# Altium PCB Oven Controller.PcbDoc
Units mm, origin at the board's own origin, x right, y up, seen from the top; angles counter-clockwise.
Board outline 65 x 60.05 mm, 4 copper layers (Top Layer, GND, Power, Bottom Layer), stack 1.371 mm thick; 56 components, 41 nets, 202 pads, 118 vias.
Unrouted connection lines stored in the file: 1.
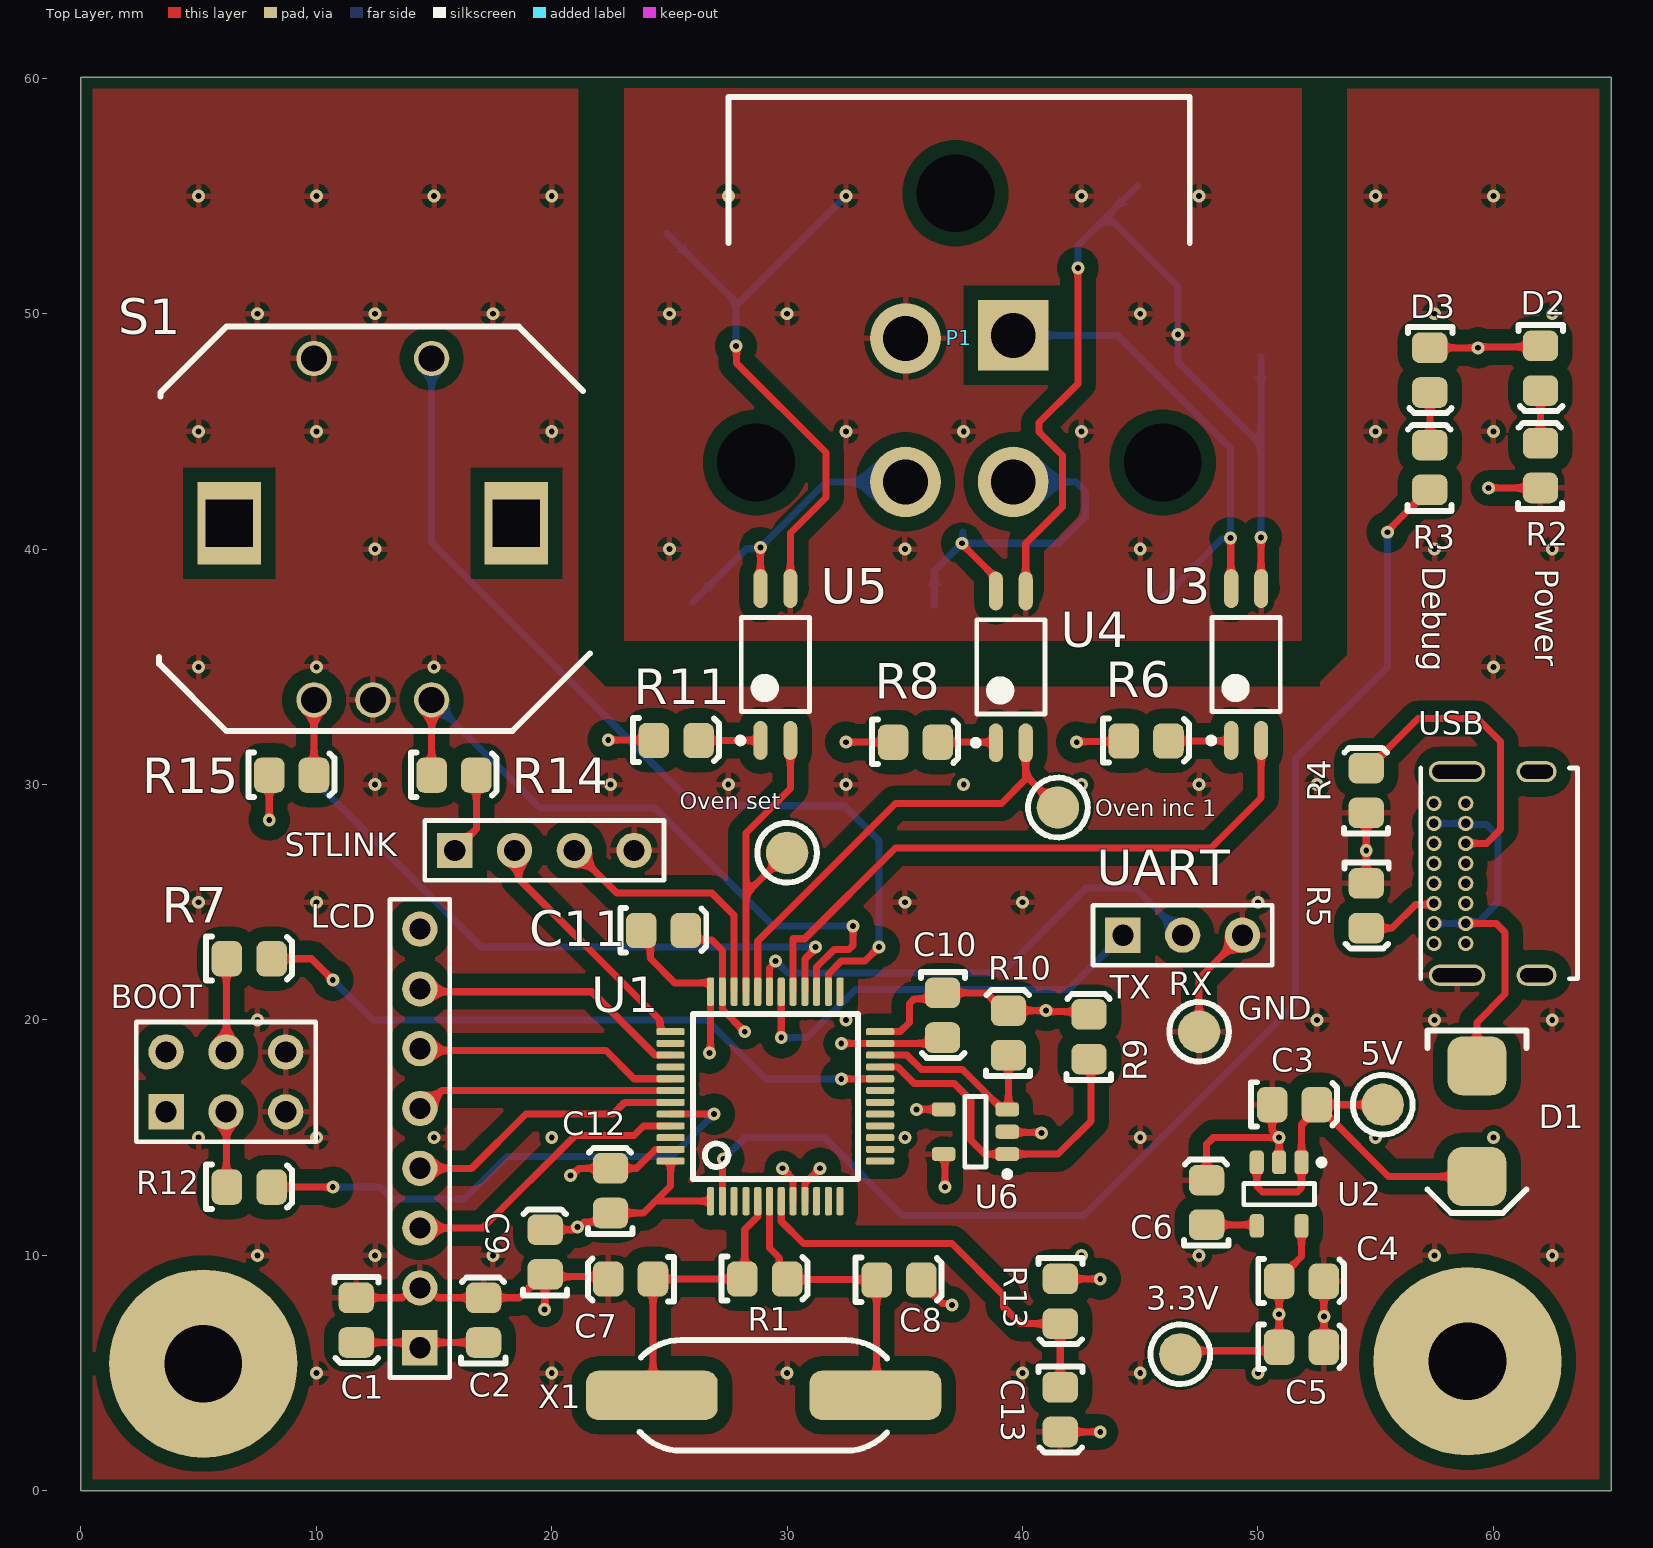
[diagram p0: Top Layer view]
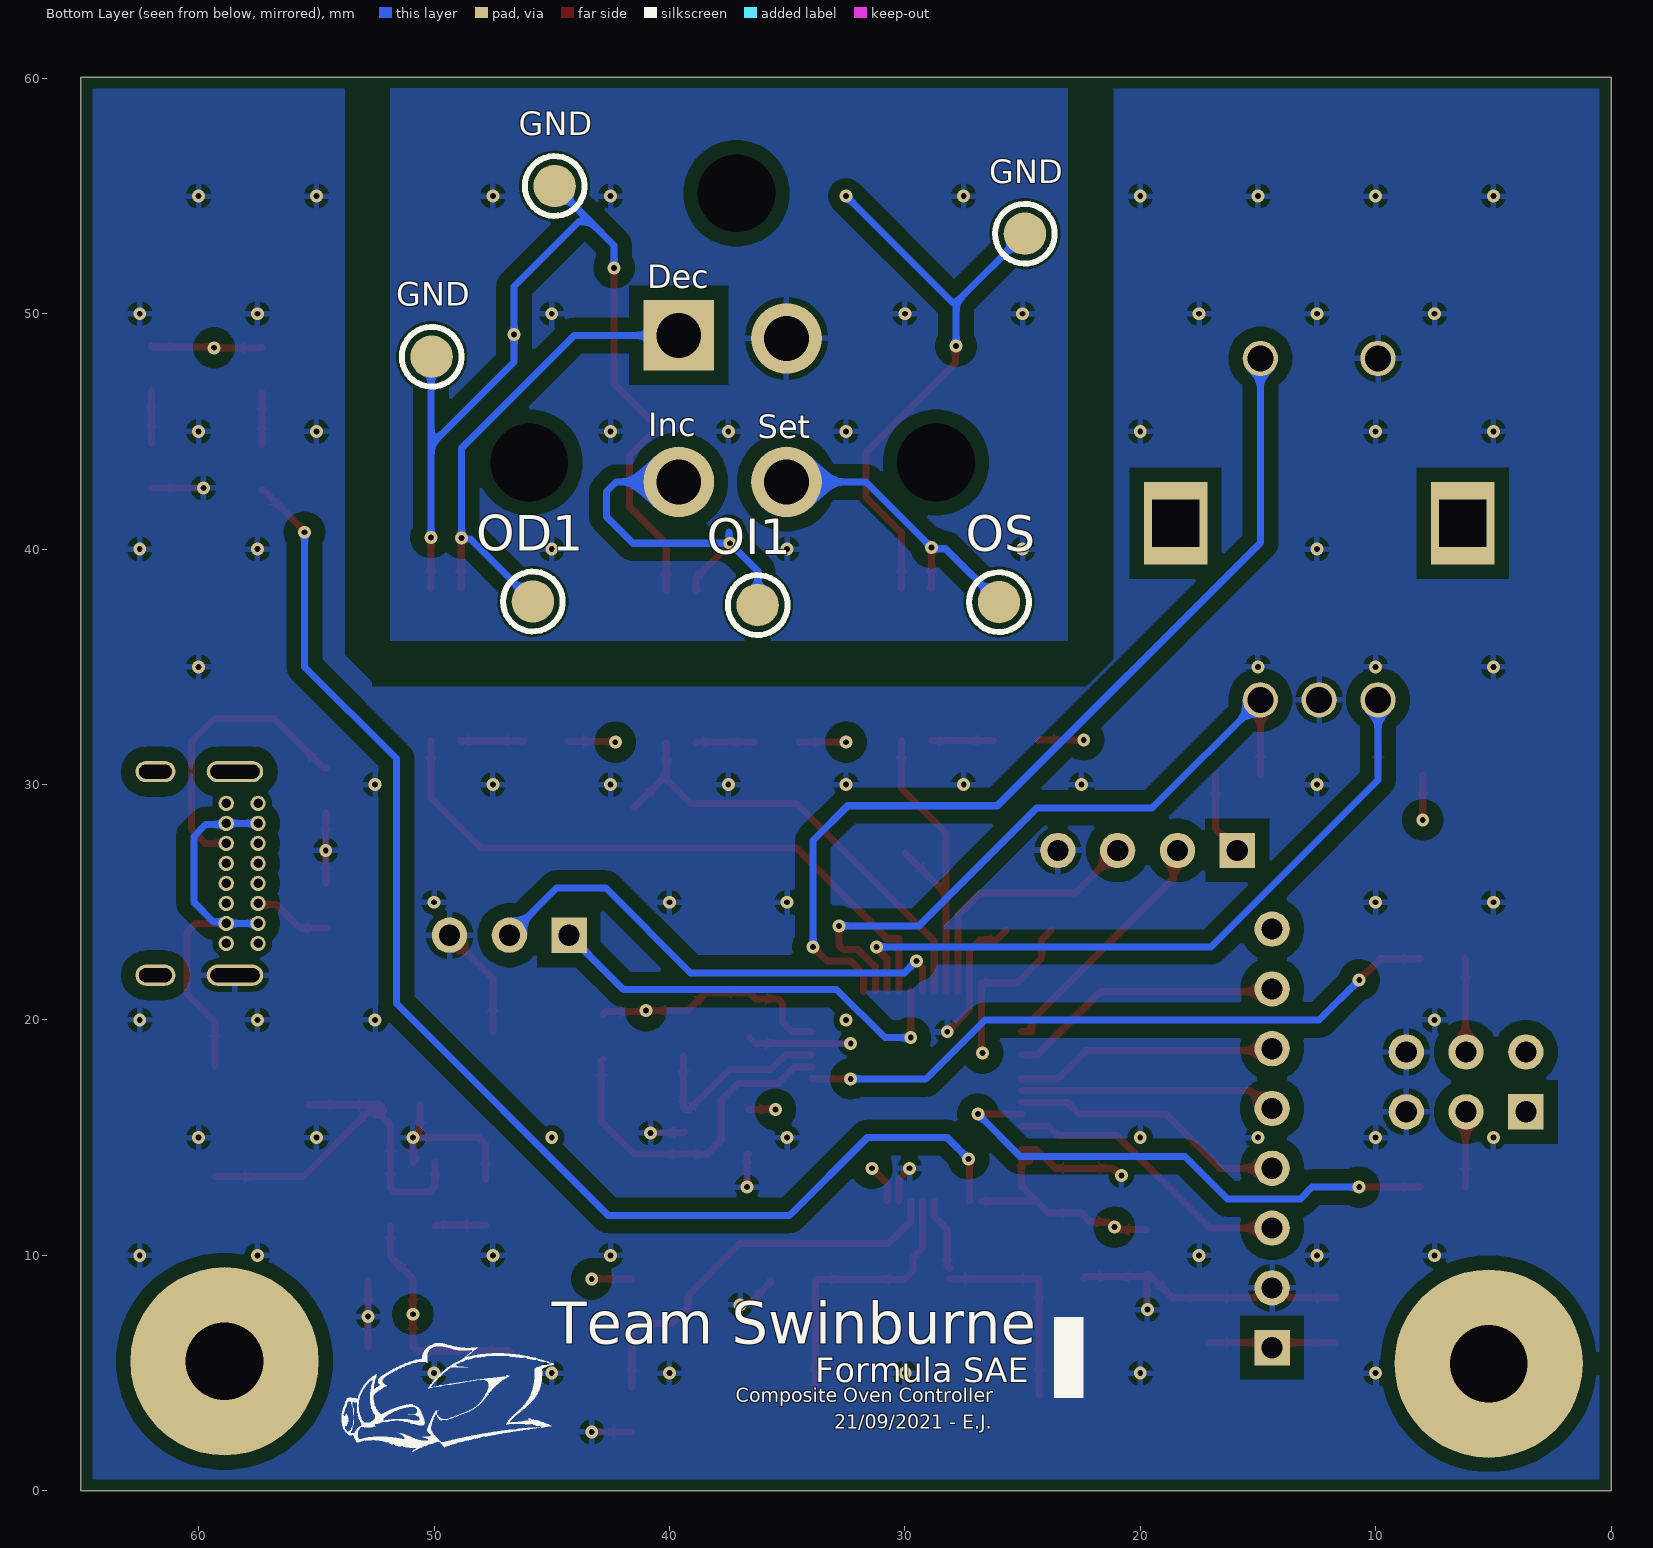
[diagram p1: Bottom Layer view, seen from below]
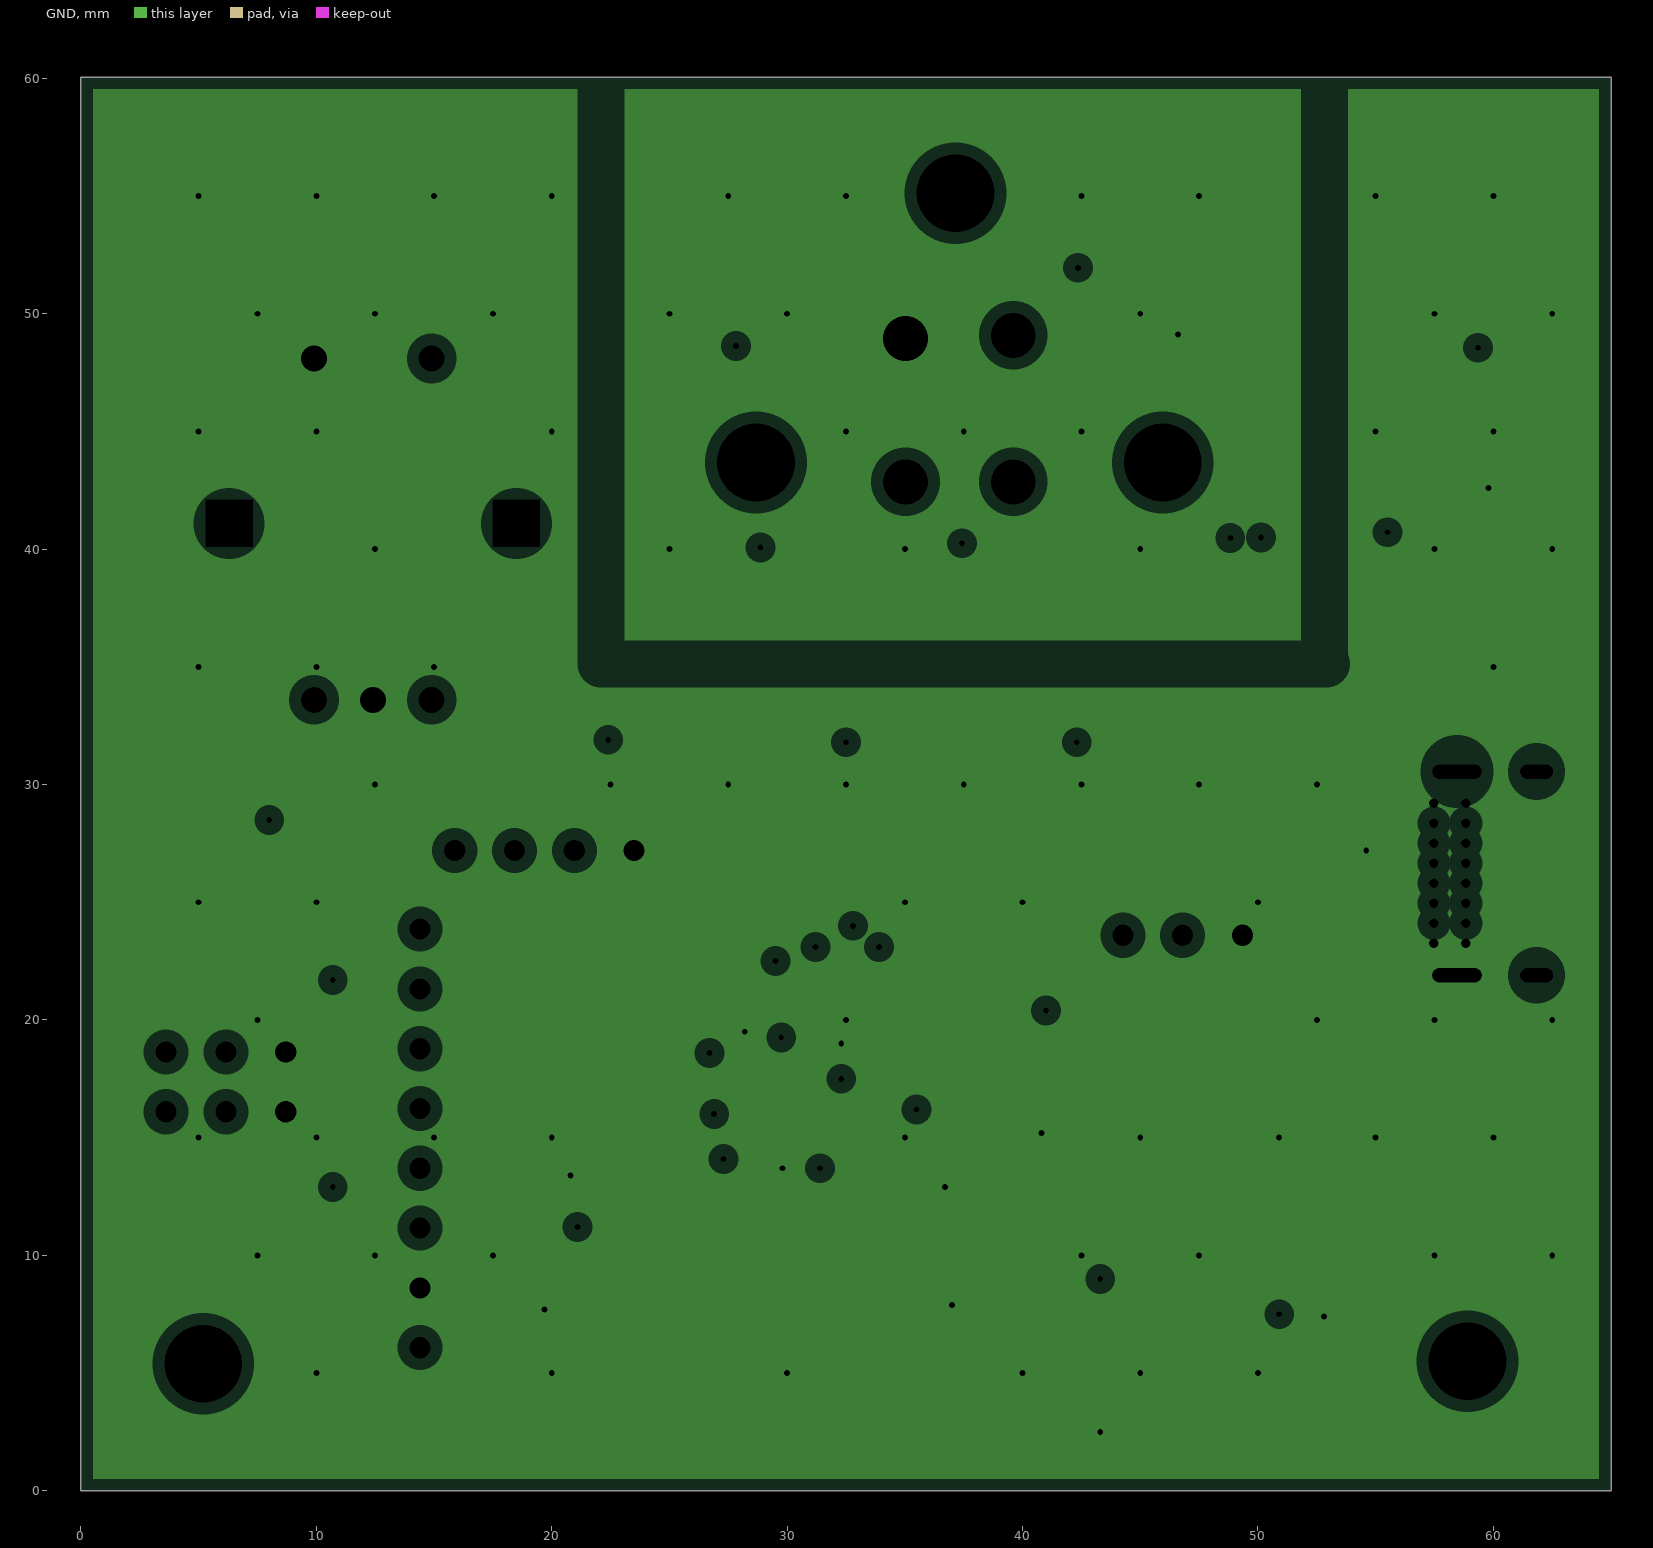
[diagram p2: GND, clearances drawn from the general rule]
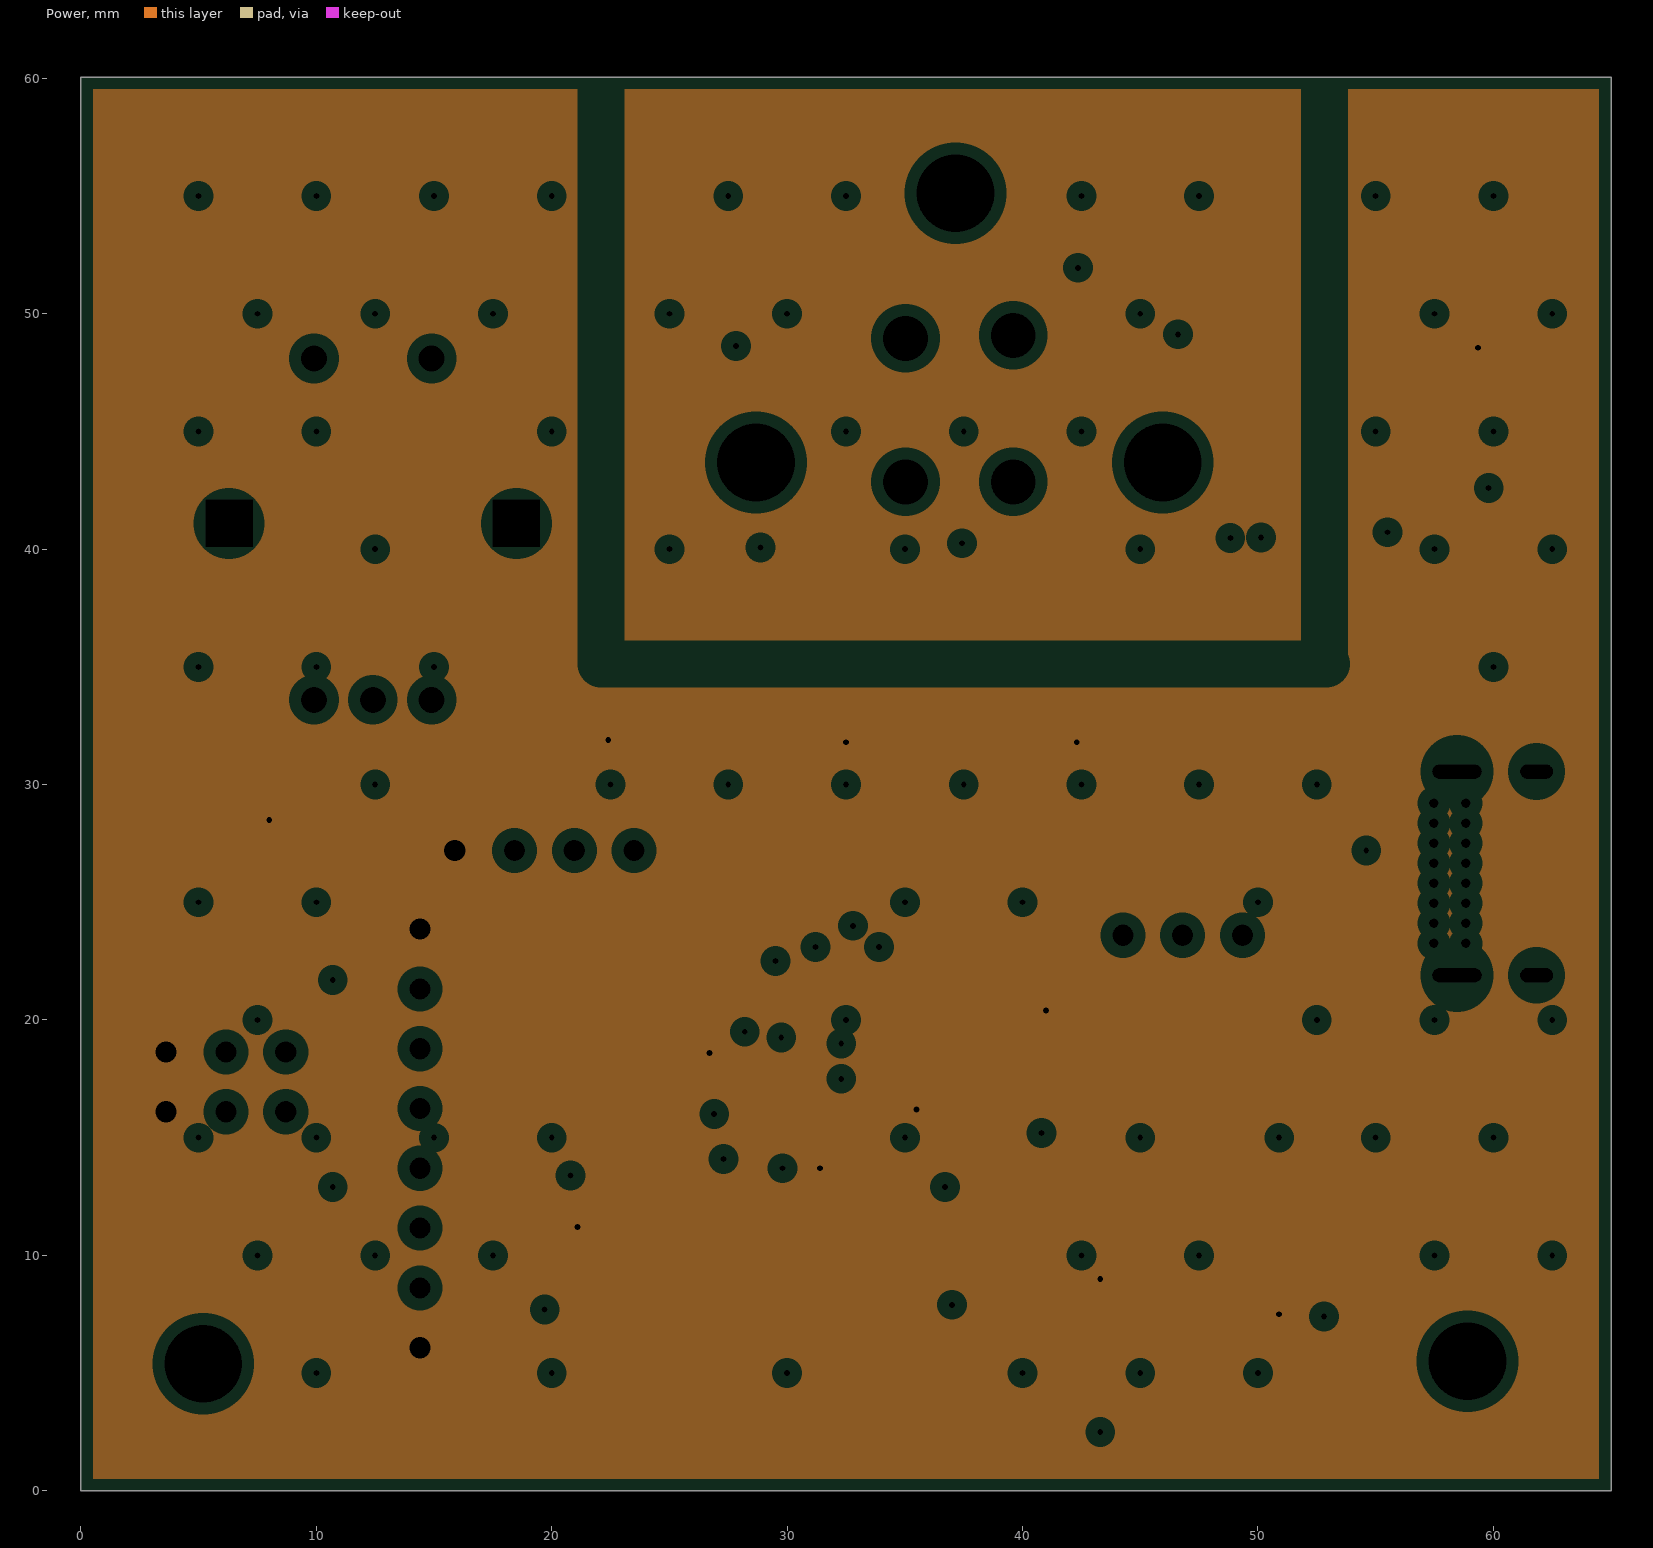
[diagram p3: Power, clearances drawn from the general rule]

## Layer stack, top to bottom
Top Solder: solder mask 0.025, Solder Resist, Dk 3.5
Top Layer: signal copper 0.035
Dielectric 2: prepreg 0.13, PP-006, Dk 4.1
Dielectric 4: prepreg 0.13, PP-006, Dk 4.1
GND: plane copper 0.035, net (Multiple Nets)
Dielectric 1: dielectric 0.711, FR-4, Dk 4.8
Power: plane copper 0.035, net +3.3 V
Dielectric 5: prepreg 0.13, PP-006, Dk 4.1
Dielectric 3: prepreg 0.13, PP-006, Dk 4.1
Bottom Layer: signal copper 0.035
Bottom Solder: solder mask 0.025, Solder Resist, Dk 3.5

## Board outline
0,0 0,60.05 65,60.05 65,0

## Design rules (kind name [scope] priority, off if disabled: settings)
Clearance [All] p1: gap=0.1 ignorepadtopadclearanceinfootprint=FALSE except(0: Arc-Hole Track-Hole SMDPad-Hole THPad-Hole Via-Hole Fill-Hole Poly-Hole Region-Hole Text-Hole; 0.254: Via-Via Via-Fill Via-Region Via-Text Fill-Fill Fill-Region Fill-Text Poly-Region Poly-Text Region-Region Region-Text Text-Text; 0.6: Arc-Poly Track-Poly SMDPad-Poly THPad-Poly Via-Poly Fill-Poly Poly-Poly)
PlaneClearance [All] p1: clearance=0.508
PlaneConnect [All] p1: pad.planeconnectstyle=Relief pad.reliefexpansion=0.508 pad.reliefentries=4 pad.reliefconductorwidth=0.8 pad.reliefairgap=0.254 via.planeconnectstyle=Relief via.reliefexpansion=0.508 via.reliefentries=4 via.reliefconductorwidth=0.254 via.reliefairgap=0.254
PolygonConnect [All] p1: connectstyle=Relief reliefconductorwidth=0.254 reliefentries=4 polygonreliefangle="90 Angle" airgapwidth=0.254
RoutingVias [All] p1: holewidth=0.25 width=0.55 viastyle="Through Hole" minholewidth=0.25 minwidth=0.55 maxholewidth=0.25 maxwidth=0.55
SolderMaskExpansion [All] p1: expansion=0.102 istentingtop=FALSE
Width [All] p1: maxlimit=1 minlimit=0.3 preferedwidth=0.3 minimp=50.000000 maximp=50.000000 favimp=50.000000
28 further rules are at their usual default settings.

## Components (designator, comment, footprint, x,y, rotation, side; value= is the part's Value field where it differs from the comment)
3.3V "0mm" "SMD Test Point" 46.7,5.8 r90 top
5V "0mm" "SMD Test Point" 55.3,16.4 r0 top
BOOT "Boot jumper" "TH 2.54mm Header 2x3" 3.62,16.1 r0 top
C1 "10uF" 0805 11.72,7.238 r270 top
C2 "100nF" 0805 17.08,7.262 r90 top
C3 "1uF" 0805 51.562,16.426 r0 top
C4 "100nF" 0805 51.862,8.926 r0 top
C5 "1uF" 0805 51.862,6.126 r0 top
C6 "22nF" 0805 47.794,12.262 r90 top
C7 "22pF" 0805 23.338,8.974 r180 top
C8 "22pF" 0805 34.762,8.98 r0 top
C9 "1uF" 0805 19.7,10.154 r90 top
C10 "100nF" 0805 36.626,20.192 r270 top
C11 "100nF" 0805 24.762,23.826 r0 top
C12 "100nF" 0805 22.474,12.762 r90 top
C13 "100nF" 0805 41.626,3.438 r270 top
D1 "SD560BTR" "SMB Diode" 59.3,17.8 r270 top
D2 "Red" "0805 LED" 62.026,47.673 r270 top
D3 "Red" "0805 LED" 57.326,47.592 r270 top
GND "0mm" "SMD Test Point" 50.1,48.175 r180 bottom
GND "0mm" "SMD Test Point" 44.875,55.425 r180 bottom
GND "0mm" "SMD Test Point" 24.9,53.4 r180 bottom
GND "0mm" "SMD Test Point" 47.5,19.5 r0 top
LCD "ST7735 header" "TH 2.54mm Header 1x8" 14.4,6.08 r90 top
OD1 "0mm" "SMD Test Point" 45.8,37.775 r180 bottom
OI1 "0mm" "SMD Test Point" 36.25,37.625 r180 bottom
OS "0mm" "SMD Test Point" 26,37.75 r180 bottom
"Oven inc 1" "0mm" "SMD Test Point" 41.5,29.024 r90 top
"Oven set" "0mm" "SMD Test Point" 30,27.1 r90 top
P1 "DT 2" DT13-4P 37.568,52 r180 top
R1 "10M" 0805 29.062,9.026 r0 top
R2 "1k" 0805 61.974,43.562 r90 top
R3 "1k" 0805 57.274,43.48 r90 top
R4 "5.1k" 0805 54.574,29.762 r90 top
R5 "5.1k" 0805 54.626,24.838 r270 top
R6 "1k" 0805 45.262,31.88 r0 top
R7 "10k" 0805 7.162,22.626 r0 top
R8 "1k" 0805 35.462,31.826 r0 top
R9 "5.1k" 0805 42.8,19.3 r90 top
R10 "5.1k" 0805 39.374,19.462 r90 top
R11 "1k" 0805 25.3,31.9 r0 top
R12 "10k" 0805 7.162,12.926 r0 top
R13 "10k" 0805 41.626,8.038 r270 top
R14 "10k" 0805 15.862,30.426 r0 top
R15 "10k" 0805 8.962,30.426 r0 top
S1 "Rotary encoder" "ROTARY ENCODER" 12.4,33.6 r0 top
STLINK "STLINK 2.54mm" "TH 2.54mm Header 1x4" 15.88,27.2 r0 top
U1 "STM32F103C8T6" "STM 48-LQFP" 29.5,16.754 r0 top
U2 "RT9193-33GB" "SOT23-5 IPC" 50.9,12.6 r270 top
U3 "TLP291(Y-TP,SE" "SOIC-4 (4.55mm width)" 49.5,35.1 r90 top
U4 "TLP291(Y-TP,SE" "SOIC-4 (4.55mm width)" 39.5,35 r90 top
U5 "TLP291(Y-TP,SE" "SOIC-4 (4.55mm width)" 29.5,35.1 r90 top
U6 "24FC01T-E/OT" "SOT23-5 IPC" 38,15.254 r180 top
UART "UART 2.54mm" "TH 2.54mm Header 1x3" 44.26,23.6 r0 top
USB "USB4085-GF-A" USB4085-GF-A 61.5,26.1 r90 top
X1 "8MHz" "Abracon HC-49/US" 29,4.054 r0 top

## Footprints (in the part's own frame and the unit in brackets; to place one, negate y for a bottom-side part, rotate by r counter-clockwise, add the part's x,y. Pads: shape width x height; smd on the part's side, far side on the other; paste and mask are expansions set on the pad)
0805 [mm]
  rrect50% 1.3x1.5 smd: 1(-0.962,-0.026) 2(0.938,-0.026)
  silkscreen extent -1.85,-0.95 1.8,0.93, body extent -1,-0.65 1,0.66, height 0.73
"0805 LED" [mm]
  rrect50% 1.3x1.5 smd: A(-0.962,-0.026) K(0.938,-0.026)
  silkscreen extent -1.85,-0.95 1.8,0.93, body extent -1.1,-0.62 0.9,0.62, height 1
"Abracon HC-49/US" [mm]
  rrect50% 5.6x2.1 smd: 1(-4.75,0) 2(4.75,0)
  silkscreen extent -5.27,-2.35 5.25,2.35, body extent -6.35,-2.35 6.35,2.35, height 4.06
DT13-4P [mm]
  round 3 hole 3.3 unplated: 0(-8.382,8.318) 0(0.416,-3.112) 0(8.89,8.318)
  rect 3x3 hole 1.9: 1(-2.032,2.921)
  round 3 hole 1.9: 2(2.54,3.048) 3(2.54,9.144) 4(-2.032,9.144)
  silkscreen extent -9.53,-7.21 10.07,-1.01, body extent -20.42,-27.18 17.94,12.32, height 35.63
"ROTARY ENCODER" [mm]
  round 1.5 hole 1.1: 1(-2.5,14.5) 2(2.5,14.5) 3(2.5,0) 4(0,0) 5(-2.5,0)
  rect 2.7x3.5 hole 2 square: ""(-6.1,7.5) ""(6.1,7.5)
  silkscreen extent -9.08,-1.33 9.23,15.85
"SMB Diode" [mm]
  rrect50% 2.5x2.5 smd: A(-0.25,0) K(4.45,0)
  silkscreen extent -1.75,-2.1 6,2.1, body extent -0.69,-1.97 4.9,1.97, height 2.5
"SMD Test Point" [mm]
  round 1.8 smd: 1(0,0)
  silkscreen extent -1.27,-1.27 1.27,1.27
"SOIC-4 (4.55mm width)" [mm] "SOIC, 4-Leads, Body 2.65x4.60mm, Pitch 1.27mm, IPC Medium Density"
  oval 1.65x0.6 smd: 1(-3.225,0.635) 2(-3.225,-0.635) 3(3.225,-0.635) 4(3.225,0.635)
  silkscreen extent -3.35,-1.45 2,1.61, body extent -3.55,-1.45 3.55,1.45, height 2.2
"SOT23-5 IPC" [mm] "SOT23, 5-Leads, Body 2.90x2.80mm, Pitch 0.95mm, IPC Medium Density"
  rrect50% 1x0.6 smd: 1(-1.35,0.95) 2(-1.35,0) 3(-1.35,-0.95) 4(1.35,-0.95) 5(1.35,0.95)
  silkscreen extent -1.47,-1.5 0.45,1.93, body extent -1.5,-1.5 1.5,1.5, height 1.4
"STM 48-LQFP" [mm]
  rrect50% 0.3x1.2 smd mask+0.05: 1(-2.75,-4.45) 2(-2.25,-4.45) 3(-1.75,-4.45) 4(-1.25,-4.45) 5(-0.75,-4.45) 6(-0.25,-4.45) 7(0.25,-4.45) 8(0.75,-4.45) 9(1.25,-4.45) 10(1.75,-4.45) 11(2.25,-4.45) 12(2.75,-4.45) 25(2.75,4.45) 26(2.25,4.45) 27(1.75,4.45) 28(1.25,4.45) 29(0.75,4.45) 30(0.25,4.45) 31(-0.25,4.45) 32(-0.75,4.45) 33(-1.25,4.45) 34(-1.75,4.45) 35(-2.25,4.45) 36(-2.75,4.45)
  rrect50% 1.2x0.3 smd mask+0.05: 13(4.45,-2.75) 14(4.45,-2.25) 15(4.45,-1.75) 16(4.45,-1.25) 17(4.45,-0.75) 18(4.45,-0.25) 19(4.45,0.25) 20(4.45,0.75) 21(4.45,1.25) 22(4.45,1.75) 23(4.45,2.25) 24(4.45,2.75) 37(-4.45,2.75) 38(-4.45,2.25) 39(-4.45,1.75) 40(-4.45,1.25) 41(-4.45,0.75) 42(-4.45,0.25) 43(-4.45,-0.25) 44(-4.45,-0.75) 45(-4.45,-1.25) 46(-4.45,-1.75) 47(-4.45,-2.25) 48(-4.45,-2.75)
  silkscreen extent -3.5,-3.5 3.5,3.5, body extent -4.6,-4.6 4.6,4.6, height 1.6
"TH 2.54mm Header 1x3" [mm]
  rect 1.5x1.5 hole 0.9: 1(0,0)
  round 1.5 hole 0.9: 2(2.54,0) 3(5.08,0)
  silkscreen extent -1.27,-1.27 6.35,1.27, body extent -1.27,-1.27 6.35,1.27, height 9.5
"TH 2.54mm Header 1x4" [mm]
  rect 1.5x1.5 hole 0.9: 1(0,0)
  round 1.5 hole 0.9: 2(2.54,0) 3(5.08,0) 4(7.62,0)
  silkscreen extent -1.27,-1.27 8.89,1.27, body extent -1.27,-1.27 8.89,1.27, height 9.5
"TH 2.54mm Header 1x8" [mm]
  rect 1.5x1.5 hole 0.9: 1(0,0)
  round 1.5 hole 0.9: 2(2.54,0) 3(5.08,0) 4(7.62,0) 5(10.16,0) 6(12.7,0) 7(15.24,0) 8(17.78,0)
  silkscreen extent -1.27,-1.27 19.05,1.27, body extent -1.27,-1.27 19.05,1.27, height 9.5
"TH 2.54mm Header 2x3" [mm]
  rect 1.5x1.5 hole 0.9: 1(0,0)
  round 1.5 hole 0.9: 2(0,2.54) 3(2.54,0) 4(2.54,2.54) 5(5.08,0) 6(5.08,2.54)
  silkscreen extent -1.27,-1.27 6.35,3.81, body extent -1.27,-1.27 6.35,3.81, height 9.5
USB4085-GF-A [mm]
  round 0.65 hole 0.4: A1(-2.848,4.025) A4(-1.998,4.025) A5(-1.148,4.025) A6(-0.298,4.025) A7(0.552,4.025) A8(1.402,4.025) A9(2.252,4.025) A12(3.102,4.025) B1(3.102,2.675) B4(2.252,2.675) B5(1.402,2.675) B6(0.552,2.675) B7(-0.298,2.675) B8(-1.148,2.675) B9(-1.998,2.675) B12(-2.848,2.675)
  oval 0.9x2.4 hole 0.6 slot 2.1 at 90 deg: P1(-4.198,3.045) P2(4.452,3.045)
  oval 0.9x1.7 hole 0.6 slot 1.4 at 90 deg: P3(4.452,-0.335) P4(-4.198,-0.335)
  silkscreen extent -4.35,-2.07 4.6,4.58, body extent -4.39,-4.56 4.64,4.61, height 3.46

## Part data
3.3V 5V GND GND GND GND OD1 OI1 OS "Oven inc 1" "Oven set": library part "Test Point"
BOOT: library part "Header 2x3"
C1 C2 C3 C4 C5 C6 C7 C8 C9 C10 C11 C12 C13: library part Capacitor
D1: "1.2V_F 600V 5A SMB", Digikey Part Number=1655-1530-2-ND, Manufacturer="SMC Diode Solutions", Digikey Link=https://www.digikey.com/product-detail/en/smc-diode-solutions/SD560BTR/1655-1530-2-ND/6022620, Part Number=SD560BTR, Supplier Part Number 1=1655-1530-2-ND
D2 D3: library part SML-210LTT86, "Red LED Indication - Discrete 1.75V 0805 (2012 Metric)", Digikey Part Number=511-1286-1-ND, Manufacturer="ROHM Semiconductor", Colour=Red, Digikey Link=https://www.digikey.com/product-detail/en/rohm-semiconductor/SML-210LTT86/511-1286-1-ND/637099, Part Number=SML-210LTT86
  D2: Supplier Part Number 1=511-1286-1-ND
LCD: library part "ST7735 LCD 1x8", "Header for the ST7735 LCD module", Category=Connectors
P1: library part DT13-4P
R1 R2 R3 R4 R5 R6 R7 R8 R9 R10 R11 R12 R13 R14 R15: library part Resistor
S1: library part "Rotary Encoder"
STLINK: library part "STLINK 1x4", "Header used for the STLINK programmer", Category=Connectors
U1: "ARM® Cortex®-M3 STM32F1 Microcontroller IC 32-Bit 72MHz 64KB (64K x 8) FLASH", Digikey Part Number=497-6063-ND, Manufacturer=STMicroelectronics, Digikey Link=https://www.digikey.com/product-detail/en/stmicroelectronics/STM32F103C8T6/497-6063-ND/1646338, Part Number=STM32F103C8T6, Supplier 1=Digi-Key, Supplier Part Number 1=497-6063-ND
U2: library part RT9193, Supplier Part Number 1=1028-1014-1-ND, Voltage=3.3V, Supplier 1=Digi-Key
U3 U4 U5: library part TLP291, Supplier Part Number 1=TLP291(Y-TPSECT-ND, Supplier 1=Digi-Key
U6: library part 24FC01, "I2C EEPROM", Digikey Part Number=24FC01T-E/OTCT-ND, Manufacturer="Microchip Technology", Package=SOT23-5, Category="Integrated Circuits", Digikey Link=https://www.digikey.com.au/en/products/detail/microchip-technology/24FC01T-E-OT/9996239, Function=EEPROM, Max speed="1 MHz", Memory="128 Bytes", Part Number=24FC01T-E/OT, Protocol=I2C, Qualifications=AEC-Q-100, Supplier 1=Digi-Key, Supplier Part Number 1=24FC01T-E/OTCT-ND
UART: library part "Header 1x3"
X1: library part ABLS-8.000MHZ-B4-T, Digikey Part Number=535-10212-2-ND, Load Capacitance=18pF, Manufacturer="Abracon LLC", Digikey Link=https://www.digikey.com/product-detail/en/abracon-llc/ABLS-8.000MHZ-B4-T/535-10212-2-ND/2184155, ESR=80R, Part Number=ABLS-8.000MHZ-B4-T, Supplier 1=Digi-Key, Supplier Part Number 1=535-10212-2-ND

## Free pads (board coordinates)
  round 8 hole 3.3: 3(5.2,5.4) 3(58.9,5.5)

## Via types
v1: diameter 0.55, hole 0.25, Top Layer to Bottom Layer, 118 vias

## Nets (pads, with @x,y where several pads share a name; then routed paths per layer and width w, separated by ;. In a path a pad name is that pad's centre, name@x,y a point inside that pad or via, vN(x,y) a via of type N, cw(c..) or ccw(c..) an arc to the next point about the centre after c; other vN are vias at no path point)
"+3.3 V": 3.3V.1 BOOT.1 BOOT.2 C1.2 C2.1 C4.1 C5.1 C9.2 C10.1 C11.1 C12.1 D2.A D3.A LCD.1 LCD.8 R6.1 R8.1 R9.2 R10.2 R11.1 R13.1 R14.2 R15.1 STLINK.1 U1.1 U1.9 U1.24 U1.36 U1.48 U2.5 U6.4 | length 64
  Top Layer w0.3: v1(8,28.5) R15.1@8,30.4 ; C1.2 14.18,6.3 LCD.1 14.62,6.3 C2.1 ; LCD.1@14.4,6.154 LCD.1@14.546,6.3 ; STLINK.1 16.8,28.12 R14.2 ; C9.2 20.924,11.092 21.032,11.2 v1(21.1,11.2) 21.168,11.2 21.376,11.408 22.108,11.408 C12.1 23.9,11.8 24.475,12.375 ; v1(22.4,31.9) 22.413,31.887 24.325,31.887 R11.1 ; C11.1 24.192,23.408 24.192,22.608 25.221,21.579 26.75,21.579 U1.36 26.75,18.718 26.7,18.668 v1(26.7,18.6) ; U1.48@24.675,14.004 U1.48 25.05,12.95 24.475,12.375 ; U1.1 24.546,12.304 24.475,12.375 ; U1.9 30.75,13.05 v1(31.4,13.7) ; v1(32.5,31.8) R8.1 ; U1.24 34.804,19.504 35.2,19.9 35.2,20.7 35.4,20.9 36.346,20.9 C10.1 38.451,21.154 39.205,20.4 R10.2 v1(41,20.4) 41.048,20.352 42.712,20.352 R9.2 ; v1(35.5,16.2) 35.502,16.202 36.648,16.202 U6.4 ; R13.1 v1(43.3,9) ; v1(42.3,31.8) 42.327,31.827 44.273,31.827 R6.1 ; 3.3V.1 46.85,5.95 50.75,5.95 C5.1 v1(50.9,7.5) ; v1(50.9,7.5) C4.1 50.9,9 51.85,9.95 U2.5 ; D3.A@57.341,48.594 D3.A v1(59.346,48.554) 59.387,48.594 61.959,48.594 D2.A
"+5 V": 5V.1 C3.2 D1.K U2.1 U2.3 | length 17.6
  Top Layer w0.3: U2.3 49.95,12.95 50.2,12.7 51.674,12.7 51.85,12.876 U2.1 51.85,15.555 C3.2@52.5,16.205 ; 5V.1 C3.2 52.5,16.395 52.987,15.908 52.992,15.908 55.55,13.35 D1.K
  Top Layer w0.75: C3.2@52.373,16.173 C3.2@52.4,16.2
BOOT0: BOOT.3 R12.1 | length 3.2
  Top Layer w0.3: BOOT.3 6.18,16.08 6.18,12.92 R12.1
BOOT1: BOOT.4 R7.1 | length 4
  Top Layer w0.3: BOOT.4 6.18,18.66 6.18,22.58 R7.1
CLK: R15.2 S1.5 U1.28 | length 32.9
  Top Layer w0.3: R15.2 S1.5 ; U1.28 30.75,22.582 31.2,23.032 v1(31.2,23.1)
  Bottom Layer w0.3: S1.5 9.9,30.2 17,23.1 v1(31.2,23.1)
CS: LCD.3 U1.45 | length 12.7
  Top Layer w0.3: LCD.3@14.526,11.034 LCD.3 17.06,11.16 17.1,11.2 21,15.1 23.5,15.1 23.904,15.504 U1.45
  Bottom Layer w0.3: 50.1,48.175 50.125,48.15
DC: LCD.5 U1.42 | length 11
  Top Layer w0.3: LCD.5 14.569,16.24 15.333,17.004 U1.42
DT: R14.1 S1.3 U1.27 | length 28.9
  Top Layer w0.3: R14.1 S1.3 ; U1.27 31.25,22.25 32,23 32.624,23 32.8,23.176 v1(32.8,24)
  Bottom Layer w0.3: S1.3 19.5,29 24.4,29 29.4,24 v1(32.8,24)
"Enter sw": S1.2 U1.26 | length 40
  Top Layer w0.3: U1.26 31.75,21.95 32.3,22.5 33.3,22.5 v1(33.9,23.1)
  Bottom Layer w0.3: S1.2 14.9,40.275 26.075,29.1 32.425,29.1 33.9,27.625 v1(33.9,23.1)
GND: BOOT.5 BOOT.6 C1.1 C2.2 C3.1 C4.2 C5.2 C6.2 C7.2 C8.2 C9.1 C10.2 C11.2 C12.2 C13.2 GND.1@47.5,19.5 LCD.2 R2.1 R4.1 R5.1 S1.1 S1.4 STLINK.4 U1.8 U1.23 U1.35 U1.47 U2.2 U6.2 U6.5 UART.3 USB.A1 USB.A12 USB.B1 USB.B12 USB.P1 | length 56.3
  Top Layer w0.3: C1.1 13.655,8.2 14.075,8.62 LCD.2 14.725,8.62 15.145,8.2 C2.2 18.634,8.2 19.626,9.192 C9.1 ; v1(19.7,7.7) 19.713,7.713 19.713,9.179 C9.1 ; v1@20.7,13.4 v1(20.8,13.4) 20.868,13.4 21.168,13.7 C12.2 23.6,13.7 24.404,14.504 U1.47 ; C7.2 22.304,9.096 19.822,9.096 C9.1 ; C11.2 26.1,23.4 26.8,23.4 27.25,22.95 U1.35 27.25,20.45 v1(28.2,19.5) ; v1(29.8,13.7) 30.25,13.25 U1.8 ; v1(32.3,19) 32.304,19.004 U1.23 36.35,19.004 C10.2 ; C8.2 35.7,8.854 36.606,7.948 36.952,7.948 v1(37,7.9) ; U6.5 36.7,14.254 v1(36.7,12.9) ; U6.2 39.377,15.227 40.773,15.227 v1(40.8,15.2) ; C13.2 v1(43.3,2.5) ; GND.1@47.5,19.5 47.5,21.76 UART.3 ; C6.2 47.82,14.72 48.1,15 v1(50.9,15) ; C3.1 50.6,15.3 v1(50.9,15) ; U2.2@50.75,14.1 U2.2 v1(50.9,15) ; C5.2 v1(52.8,7.4) C4.2 ; R5.1 v1(54.6,27.2) R4.1 ; v1(59.8,42.6) R2.1
  other v1: 10,5 20,5 30,5 40,5 45,5 50,5 7.5,10 12.5,10 17.5,10 42.5,10 47.5,10 57.5,10 62.5,10 5,15 10,15 15,15 20,15 35,15 45,15 55,15 60,15 7.5,20 32.5,20 52.5,20 57.5,20 62.5,20 5,25 10,25 35,25 40,25 50,25 12.5,30 22.5,30 27.5,30 32.5,30 37.5,30 42.5,30 47.5,30 52.5,30 5,35 10,35 15,35 60,35 12.5,40 57.5,40 62.5,40 5,45 10,45 20,45 55,45 60,45 7.5,50 12.5,50 17.5,50 57.5,50 62.5,50 5,55 10,55 15,55 20,55 55,55 60,55
"GND (ISO)": P1.2 U3.3 U4.3 U5.3 | length 67.5
  Top Layer w0.3: 27.825,48.625 27.85,48.6 27.85,47.9 31.65,44.1 31.65,42.2 30.135,40.685 U5.3 U5.3@30.168,38.358 ; U4.3 40.135,40.235 41.7,41.8 41.7,43.975 40.7,44.975 40.7,45.375 42.35,47.025 42.35,51.95 ; 50.125,40.5 50.13,40.495 50.13,38.33 U3.3 U3.3@50.167,38.357
  Bottom Layer w0.3: 24.9,53.4 27.825,50.475 ; 27.825,48.625 27.825,50.475 ; v1(32.5,55) 27.975,50.475 27.825,50.475 ; 42.35,51.95 42.35,52.9 43.362,53.912 ; 44.875,55.425 43.362,53.912 ; 50.125,40.5 50.125,44.425 ; 50.125,48.15 50.125,44.425 ; 43.362,53.912 43.838,53.912 46.6,51.15 v1(46.6,49.125) 46.6,47.95 50.125,44.425
  other v1: 25,40 35,40 45,40 32.5,45 37.5,45 42.5,45 25,50 30,50 45,50 27.5,55 42.5,55 47.5,55
MOSI: LCD.6 U1.41 | length 11.3
  Top Layer w0.254: LCD.6@14.4,18.854 LCD.6@14.454,18.8
  Top Layer w0.3: LCD.6 14.48,18.7 22.3,18.7 23.496,17.504 U1.41 ; LCD.6@14.4,18.854 LCD.6@14.446,18.9
NetC6_1: C6.1 U2.4 | length 2.2
  Top Layer w0.3: C6.1 49.9,11.3 U2.4
NetC13_1: C13.1 R13.2 U1.7 | length 17.5
  Top Layer w0.3: U1.7 29.75,11.45 30.7,10.5 37,10.5 39.2,8.3 39.2,7.8 39.9,7.1 R13.2 C13.1
NetD1_A: D1.A USB.A4 USB.A9 USB.B4 USB.B9 | length 16.9
  Top Layer w0.3: USB.B9 60.122,24.102 60.5,23.724 60.5,21.1 59.3,19.9 D1.A
  Bottom Layer w0.3: USB.A4 USB.B9 58.892,24.169 59.369,24.169 60.2,25 60.2,27.8 59.7,28.3 58.877,28.3 USB.B4 USB.A9
NetD2_K: D2.K R2.2 | length 2.2
  Top Layer w0.3: R2.2 D2.K
NetD3_K: D3.K R3.2 | length 2.2
  Top Layer w0.3: R3.2 D3.K
NetR4_2: R4.2 USB.B5 | length 12.4
  Top Layer w0.3: R4.2 54.7,30.7 56.8,32.8 59.324,32.8 60.3,31.824 60.3,28.1 59.702,27.502 USB.B5
NetR5_2: R5.2 USB.A5 | length 3.4
  Top Layer w0.3: R5.2@54.55,23.9 R5.2 55.7,23.9 56.7,24.9 57.423,24.9 USB.A5
NetR6_2: R6.2 U3.1 | length 2.7
  Top Layer w0.3: R6.2 48.844,31.854 U3.1
NetR7_2: R7.2 U1.20 | length 28
  Top Layer w0.3: R7.2 9.8,22.6 v1(10.7,21.7) ; v1(32.3,17.5) 33.025,17.5 33.029,17.504 U1.20
  Bottom Layer w0.3: v1(10.7,21.7) 12.4,20 26.6,20 29.1,17.5 v1(32.3,17.5)
NetR8_2: R8.2 U4.1 | length 2.5
  Top Layer w0.3: R8.2 38.84,31.8 U4.1
NetR11_2: R11.2 U5.1 | length 2.6
  Top Layer w0.3: R11.2 U5.1 U5.1
NetR12_2: R12.2 U1.44 | length 22.3
  Top Layer w0.3: R12.2 v1(10.7,12.9) ; U1.44 26.14,16.004 26.144,16 v1(26.9,16)
  Bottom Layer w0.3: v1(10.7,12.9) 12.7,12.9 13.2,12.4 16.3,12.4 18.1,14.2 25.1,14.2 v1(26.9,16)
"Oven dec 1": U1.29 U3.2 | length 27.1
  Top Layer w0.3: U1.29 30.25,23.45 30.75,23.45 34.6,27.3 48,27.3 50.135,29.435 U3.2
"Oven dec 1 (ISO)": OD1.1 P1.1 U3.4 | length 21.5
  Top Layer w0.3: P1.1 P1.1@39.679,49 ; v1(48.825,40.475) 48.845,40.455 48.845,38.345 U3.4
  Bottom Layer w0.3: P1.1 44.046,49.079 48.825,44.3 v1(48.825,40.475) 48.777,40.427 48.452,40.427 OD1.1
"Oven inc 1": "Oven inc 1.1" U1.32 U4.2 | length 19.9
  Top Layer w0.3: U1.32 28.75,23.35 30.2,24.8 34.6,29.2 39.1,29.2 40.135,30.235 40.135,30.389 ; U4.2@40.192,31.718 U4.2 40.135,30.389 ; 41.5,29.024 40.135,30.389
"Oven inc 1 (ISO)": OI1.1 P1.4 U4.4 | length 17.1
  Top Layer w0.3: v1(37.425,40.25) 37.425,40.22 38.865,38.78 U4.4 U4.4@38.825,38.265 ; P1.4@39.6,42.125 P1.4
  Bottom Layer w0.3: OI1.1 36.25,39.075 v1(37.425,40.25) ; 37.473,40.729 37.473,40.298 v1(37.425,40.25) ; P1.4 42.268,42.856 42.675,42.449 42.675,41.375 41.55,40.25 v1(37.425,40.25)
"Oven set": "Oven set.1" U1.33 U5.2 | length 13.9
  Top Layer w0.3: U1.33 28.25,25.35 ; 30,27.1 28.25,25.35 ; U5.2 30.135,29.835 28.25,27.95 28.25,25.35
"Oven set (ISO)": OS.1 P1.3 U5.4 | length 12.9
  Top Layer w0.3: v1(28.865,40.065) U5.4 U5.4@28.9,38.36
  Bottom Layer w0.3: OS.1 28.267,40.017 28.817,40.017 v1(28.865,40.065) 31.656,42.856 P1.3
PC13: R3.1 U1.2 | length 55.8
  Top Layer w0.3: U1.2 27.25,13.982 27.3,14.032 v1(27.3,14.1) ; v1(55.5,40.718) 55.5,40.768 57.25,42.518 R3.1
  Bottom Layer w0.3: v1(27.3,14.1) 28.2,15 31.6,15 34.9,11.7 42.6,11.7 51.6,20.7 51.6,31.1 55.5,35 v1(55.5,40.718)
RESET: LCD.4 U1.43 | length 12
  Top Layer w0.3: LCD.4@14.526,13.574 LCD.4 16.6,13.7 18.9,16 22.6,16 23.104,16.504 U1.43
SCK: LCD.7 U1.39 | length 12
  Top Layer w0.254: LCD.7@14.4,21.394 LCD.7@14.494,21.3
  Top Layer w0.3: LCD.7 14.52,21.2 21.7,21.2 24.396,18.504 U1.39 ; LCD.7@14.4,21.394 LCD.7@14.406,21.4
SCL: R9.1 U1.21 U6.1 | length 14.7
  Top Layer w0.3: U1.21 34.696,18.004 35.4,17.3 37.1,17.3 37.8,16.6 37.8,14.9 38.396,14.304 U6.1 41.504,14.304 42.9,15.7 42.9,18.264 R9.1
SDA: R10.1 U1.22 U6.3 | length 8.7
  Top Layer w0.3: U1.22 35.096,18.504 35.7,17.9 37.454,17.9 39.15,16.204 U6.3 39.4,16.254 R10.1
SWCLK: STLINK.2 U1.37 | length 10.7
  Top Layer w0.3: STLINK.2 18.6,27.02 18.6,26 24.3,20.3 24.6,20 24.6,19.504 U1.37
SWDIO: STLINK.3 U1.34 | length 11.2
  Top Layer w0.3: STLINK.3 22.76,25.4 26.8,25.4 27.75,24.45 U1.34
UARTRX: U1.31 UART.2 | length 21.2
  Top Layer w0.3: U1.31 29.25,22.209 29.5,22.459 v1(29.5,22.5)
  Bottom Layer w0.3: v1(29.5,22.5) 29.525,22.5 30.025,22 39.1,22 42.7,25.6 44.8,25.6 UART.2
UARTTX: U1.30 UART.1 | length 18.3
  Top Layer w0.3: v1(29.75,19.25) U1.30
  Bottom Layer w0.3: v1(29.75,19.25) 30.85,19.25 32.9,21.3 41.96,21.3 UART.1
XTALA: C7.1 R1.1 U1.5 X1.1 | length 11.9
  Top Layer w0.3: X1.1 24.3,4.104 C7.1 R1.1 ; R1.1@28.1,9.454 28.2,9.554 28.2,11.1 28.75,11.65 U1.5
XTALB: C8.1 R1.2 U1.6 X1.2 | length 12.4
  Top Layer w0.3: U1.6 29.25,10.319 29.661,9.907 29.661,9.339 R1.2 30.023,8.977 33.777,8.977 C8.1 33.8,4.104 X1.2
pads on no net: GND.1@24.9,53.4 GND.1@44.875,55.425 GND.1@50.1,48.175 P1.0 S1. U1.3 U1.4 U1.10 U1.11 U1.12 U1.13 U1.14 U1.15 U1.16 U1.17 U1.18 U1.19 U1.25 U1.38 U1.40 U1.46 USB.A6 USB.A7 USB.A8 USB.B6 USB.B7 USB.B8 USB.P2 USB.P3 USB.P4
copper on no net:
  other v1: 50.125,40.5 27.825,48.625 42.35,51.95

## Polygon pours and split planes (outlines as drawn)
"GND (ISO)" on Bottom Layer "GND_(ISO)_L04_P002" (solid, pour order 2): 23.075,36.1 23.075,59.575 51.85,59.575 51.85,36.1
GND on Bottom Layer "GND_L04_P003" (solid, pour order 3): 0.5,0.5 0.5,59.55 21.125,59.55 21.125,35.325 22.3,34.15 52.65,34.15 52.65,34.375 53.8,35.525 53.8,59.55 64.5,59.55 64.5,0.5
"GND (ISO)" on Top Layer "GND_(ISO)_L01_P001" (solid, pour order 1): 23.075,36.1 23.075,59.575 51.85,59.575 51.85,36.1
GND on Top Layer "GND_L01_P000" (solid, pour order 0): 0.5,0.5 0.5,59.55 21.125,59.55 21.125,35.325 22.3,34.15 52.65,34.15 52.65,34.375 53.8,35.525 53.8,59.55 64.5,59.55 64.5,0.5
"+3.3 V" on Power (split plane): 64.49,0.51 0.51,0.51 0.51,59.54 21.098,59.54 21.098,35.125 21.106,34.994 21.132,34.866 21.174,34.741 21.232,34.624 21.305,34.515 21.391,34.416 21.49,34.33 21.599,34.257 21.716,34.199 21.841,34.157 21.969,34.131 22.1,34.123 52.9,34.123 53.031,34.131 53.159,34.157 53.284,34.199 53.401,34.257 53.51,34.33 53.609,34.416 53.695,34.515 53.768,34.624 53.826,34.741 53.868,34.866 53.894,34.994 53.902,35.125 53.894,35.256 53.868,35.384 53.827,35.505 53.827,59.54 64.49,59.54
no net on Power (split plane): 51.823,36.127 23.102,36.127 23.102,59.54 51.823,59.54
GND on GND (split plane): 64.49,0.51 0.51,0.51 0.51,59.54 21.098,59.54 21.098,35.125 21.106,34.994 21.132,34.866 21.174,34.741 21.232,34.624 21.305,34.515 21.391,34.416 21.49,34.33 21.599,34.257 21.716,34.199 21.841,34.157 21.969,34.131 22.1,34.123 52.9,34.123 53.031,34.131 53.159,34.157 53.284,34.199 53.401,34.257 53.51,34.33 53.609,34.416 53.695,34.515 53.768,34.624 53.826,34.741 53.868,34.866 53.894,34.994 53.902,35.125 53.894,35.256 53.868,35.384 53.827,35.505 53.827,59.54 64.49,59.54
"GND (ISO)" on GND (split plane): 51.823,36.127 23.102,36.127 23.102,59.54 51.823,59.54

## Other copper
GND (plane layer: these items are gaps in the copper):
  lines w2: 22.1,60.825 22.1,35.125 52.9,35.125 ; 52.825,35.3 52.825,60.775
Power (plane layer: these items are gaps in the copper):
  lines w2: 22.1,60.775 22.1,35.125 52.9,35.125 ; 52.825,35.3 52.825,60.675

## Silkscreen, mask and mechanical layers (free items; w line width, h text height)
Top Overlay:
  text "Debug" at 56.987,39.271 h1 r270
  text "Power" at 61.779,39.171 h1 r270
  text "RX" at 46.204,21.054 h1
  text "TX" at 43.704,20.904 h1
Bottom Overlay:
  drawing of 3 lines, arcs and shapes, not listed
  text "Dec" at 40.946,51.079 h1
  text "Inc" at 40.896,44.804 h1
  text "Set" at 36.246,44.704 h1
  text "Team Swinburne" at 45.006,5.659 h3.05
  text "Formula SAE" at 33.802,4.261 h1.78
  text "Composite Oven Controller" at 37.186,3.543 h1.02
  text "21/09/2021 - E.J." at 33.006,2.434 h1.02